# Altium PCB PCB3.PcbDoc (part 1 of 2)
Units mil, origin at the board's own origin, x right, y up, seen from the top; angles counter-clockwise.
Board outline 6260 x 6725 mil, 2 copper layers (Top Layer, Bottom Layer); 255 components, 118 nets, 1007 pads, 109 vias.
Unrouted connection lines stored in the file: 4.
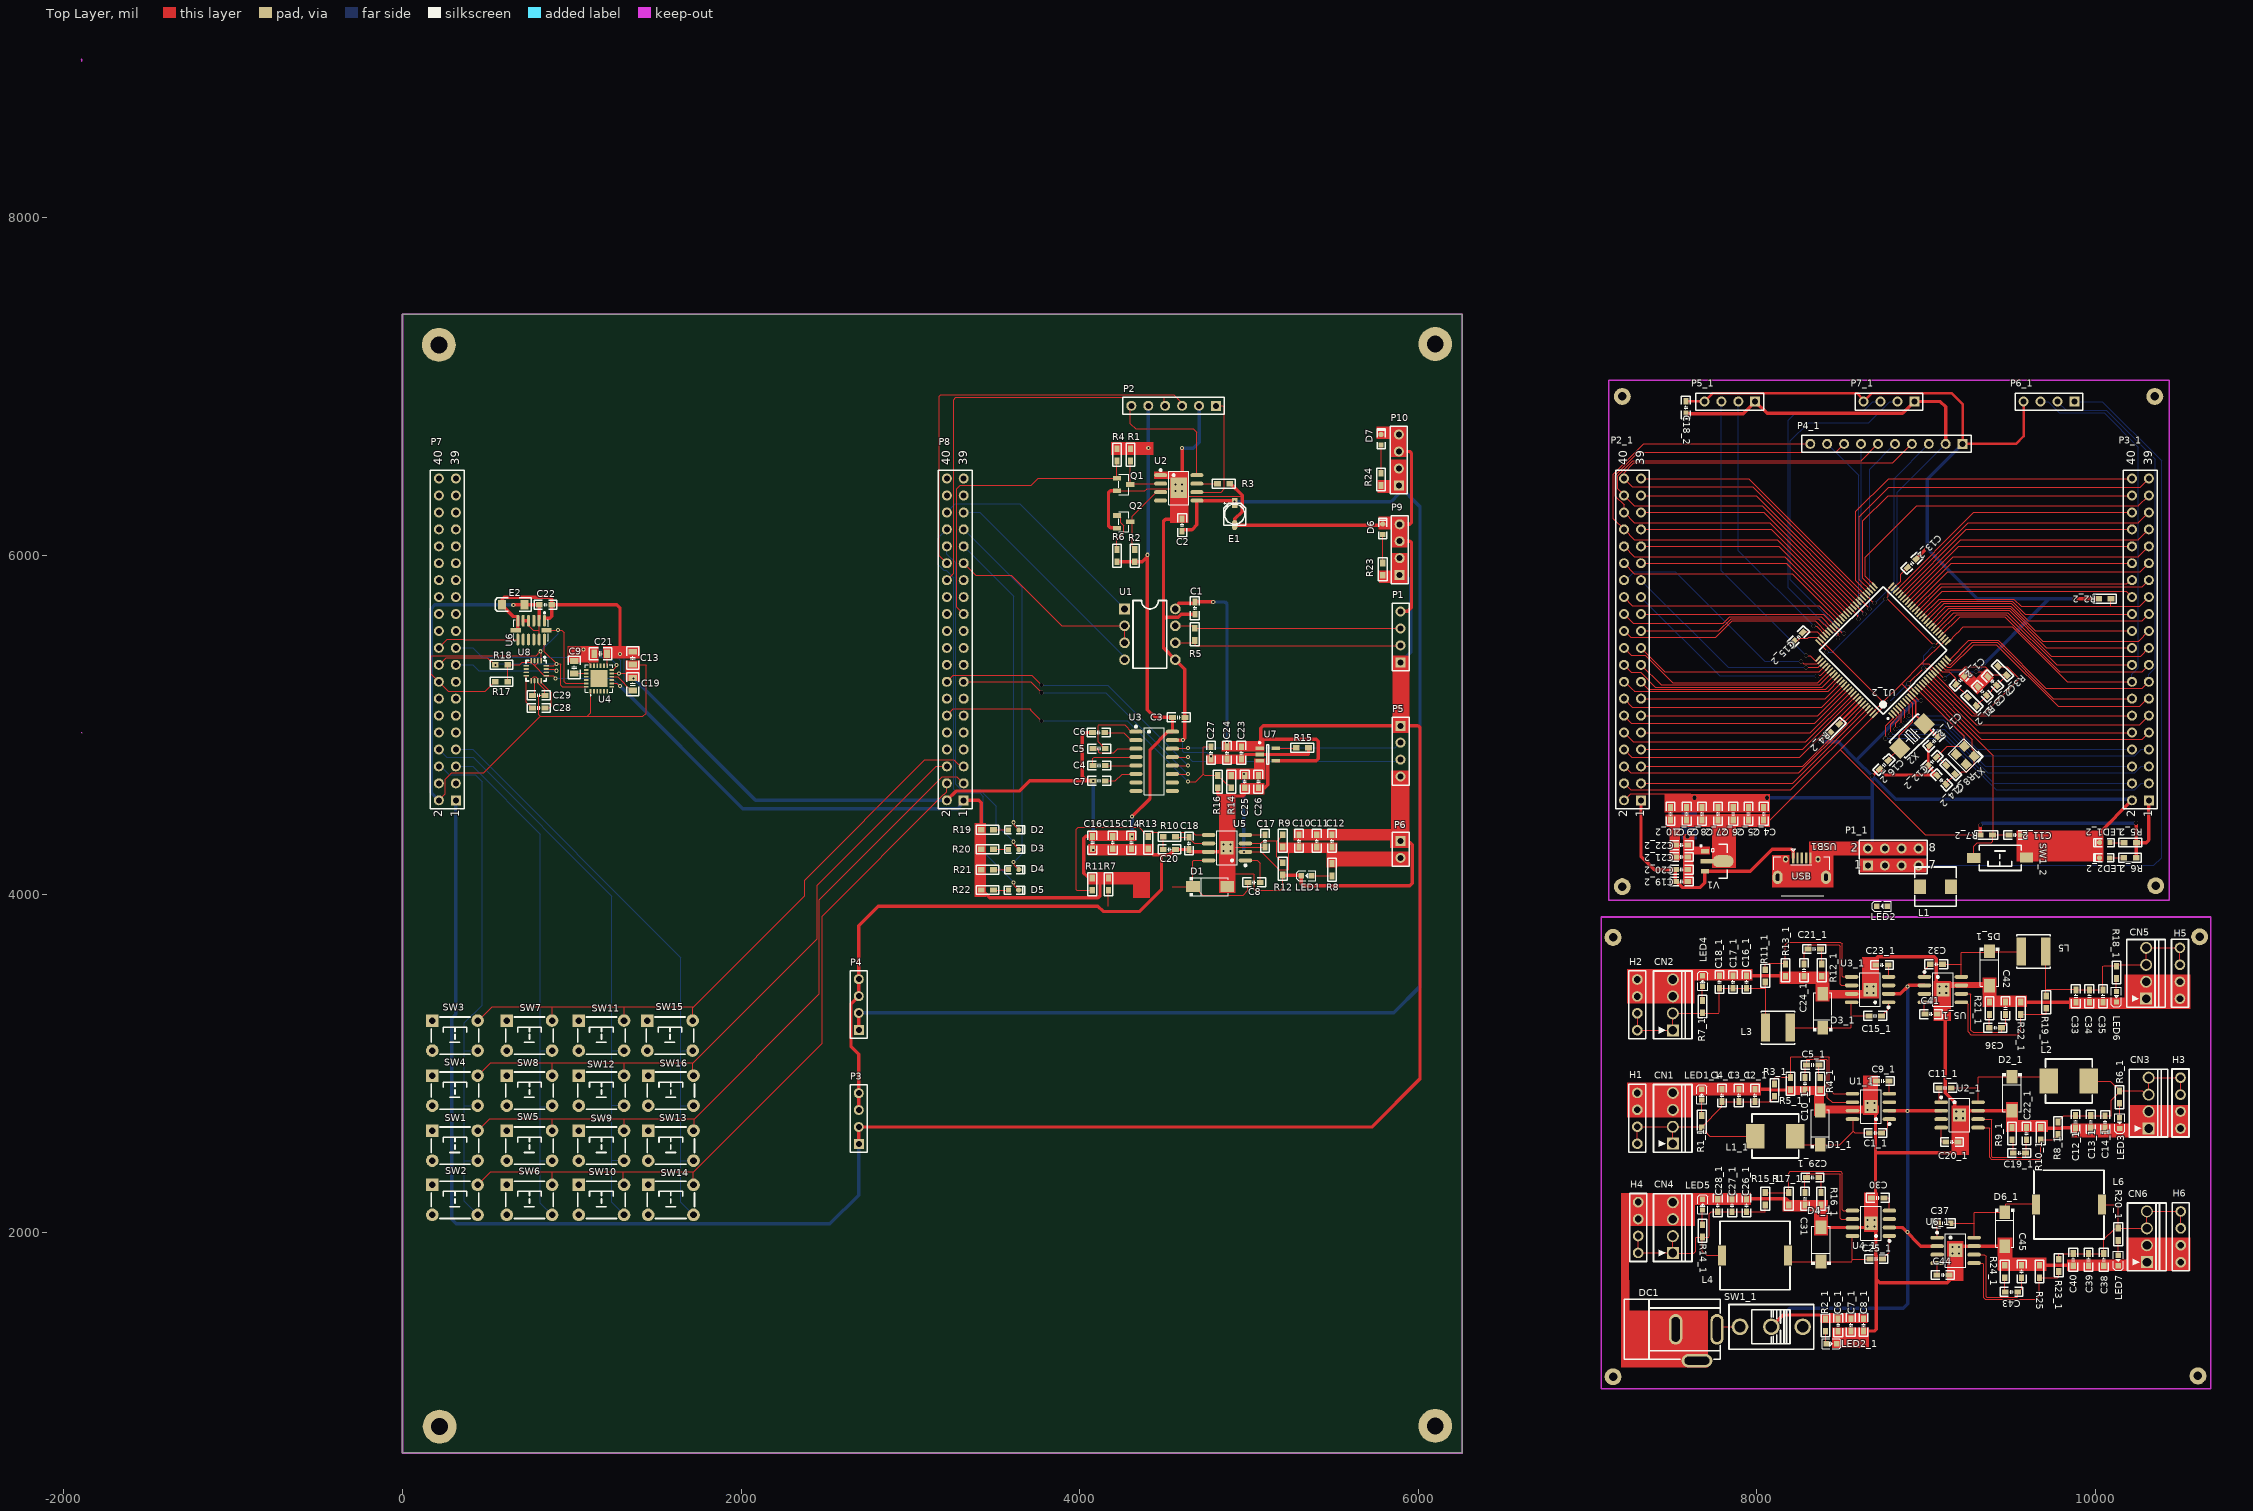
[diagram p0: Top Layer view]
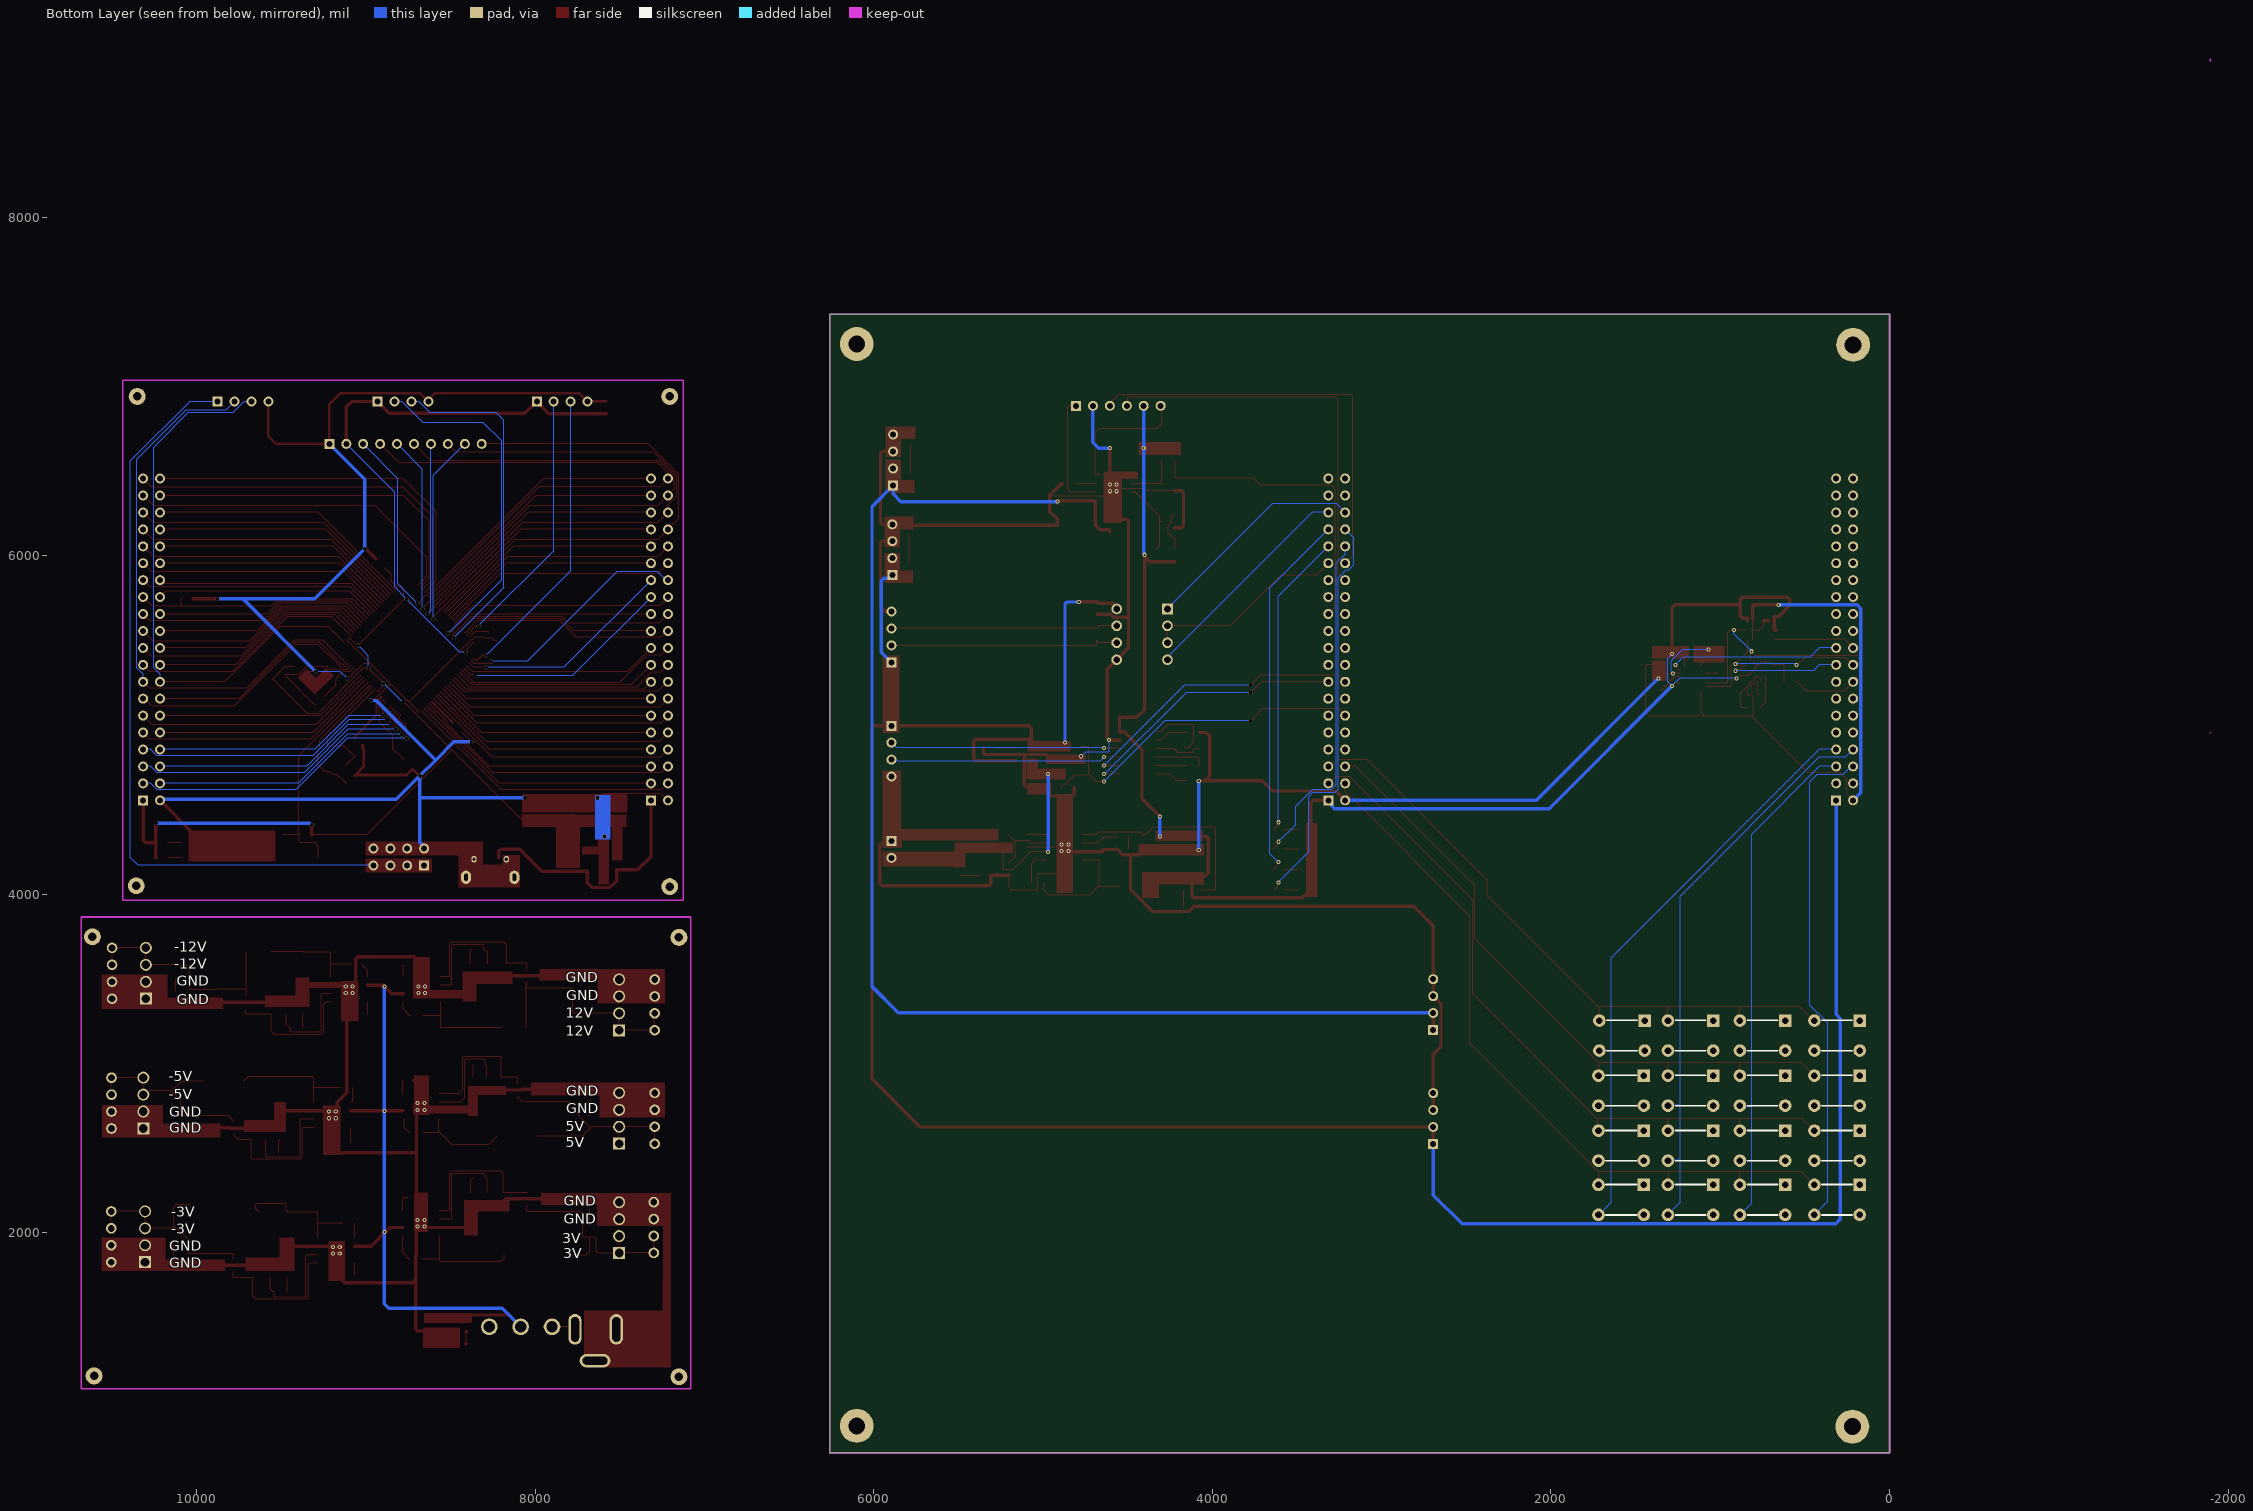
[diagram p1: Bottom Layer view, seen from below]

## Layer stack, top to bottom
Top Solder: solder mask 0.4, Solder Resist, Dk 3.5
Top Layer: signal copper 1.4
Dielectric 1: dielectric 12.6, FR-4, Dk 4.8
Bottom Layer: signal copper 1.4
Bottom Solder: solder mask 0.4, Solder Resist, Dk 3.5

## Board outline
0,700 0,4956.38 0,7425 6260,7425 6260,700

## Design rules (kind name [scope] priority, off if disabled: settings)
Clearance [All] p1: gap=6 ignorepadtopadclearanceinfootprint=FALSE except(0: Arc-Hole Track-Hole SMDPad-Hole THPad-Hole Via-Hole Fill-Hole Poly-Hole Region-Hole Text-Hole)
ComponentClearance [All] p1: gap=0 collisioncheckmode=3 verticalgap=0 showdistances=FALSE
MinimumSolderMaskSliver [All] p1: minsoldermaskwidth=0
PolygonConnect [All] p1: connectstyle=Direct reliefconductorwidth=10 reliefentries=4 polygonreliefangle="90 Angle" airgapwidth=10
RoutingVias [All] p1: holewidth=12 width=24 viastyle="Through Hole" minholewidth=10 minwidth=20 maxholewidth=25 maxwidth=50
SilkToSilkClearance [All] p1: silktosilkclearance=0
SilkToSolderMaskClearance [IsPad] p1: minsilkscreentomaskgap=0 clearancetoexposedcopper=TRUE
SolderMaskExpansion [All] p1: expansion=4 istentingtop=FALSE
Width GND [InNet('GND')] p1: maxlimit=50 minlimit=6 preferedwidth=20
Width 12V [InNet('12V')] p2: maxlimit=50 minlimit=6 preferedwidth=20
Width 5V [InNet('5V')] p3: maxlimit=50 minlimit=6 preferedwidth=20
Width 4V2 [InNet('4V2')] p4: maxlimit=50 minlimit=6 preferedwidth=20
Width 3V3 [InNet('3V3')] p5: maxlimit=50 minlimit=6 preferedwidth=20
Width Signal [All] p6: maxlimit=20 minlimit=6 preferedwidth=6
26 further rules are at their usual default settings.

## Classes and differential pairs
component class Sheet3: C1 C2 C3 C4 C5 C6 C7 C8 C9 C10 C11 C12 C13 C14 C15 C16 C17 C18 C19 C20 C21 C22 C23 C24 C25 C26 C27 C28 C29 D1 D2 D3 D4 D5 D6 D7 E2 L1 LED1 LED2 P1 P2 P3 P4 P5 P6 P7 P8 P9 P10 Q1 Q2 R1 R2 R3 R4 R5 R6 R7 R8 R9 R10 R11 R12 R13 R14 R15 R16 R17 R18 R19 R20 R21 R22 R23 R24 SW1 SW2 SW3 SW4 SW5 SW6 SW7 SW8 SW9 SW10 SW11 SW12 SW13 SW14 SW15 SW16 U1 U2 U3 U4 U5 U6 U7 U8

## Components (designator, comment, footprint, x,y, rotation, side; value= is the part's Value field where it differs from the comment)
C1 "104" C0603_M 4680,5690 r270 top
C1_1 "100nF" C0603_M 8700,2590 r180 top (schematic designator C1)
C1_2 "104" C0603_M 9200.81,5264.19 r45 top (schematic designator C1)
C2 "220nF/50V" C0603_M 4605,6180 r270 top
C2_1 "47uF" C0603_M 7988.51,2811.5 r270 top (schematic designator C2)
C2_2 "104" C0603_M 9390.81,5259.19 r315 top (schematic designator C2)
C3 "104" C0603_M 4585,5045 r0 top
C3_1 "47uF" C0603_M 7893.51,2811.5 r270 top (schematic designator C3)
C3_2 "106" C0603_M 9330.81,5199.19 r315 top (schematic designator C3)
C4 "104" C0603_M 4115,4760 r180 top
C4_1 "10uF" C0603_M 7793.51,2811.5 r270 top (schematic designator C4)
C4_2 "104" C0603_M 8040,4475 r270 top (schematic designator C4)
C5 "104" C0603_M 4115,4860 r0 top
C5_1 "75pF" C0603_M 8330.01,2991.5 r180 top (schematic designator C5)
C5_2 "104" C0603_M 7950,4475 r270 top (schematic designator C5)
C6 "104" C0603_M 4111.5,4955 r180 top
C6_1 "10uF" C0603_M 8480,1455 r90 top (schematic designator C6)
C6_2 "104" C0603_M 7860,4475 r270 top (schematic designator C6)
C7 "104" C0603_M 4115,4670 r0 top
C7_1 "10uF" C0603_M 8555,1456.5 r90 top (schematic designator C7)
C7_2 "104" C0603_M 7770,4475 r270 top (schematic designator C7)
C8 "104" C0603_M 5030,4070 r180 top
C8_1 "10nF" C0603_M 8630,1456.5 r90 top (schematic designator C8)
C8_2 "104" C0603_M 7675,4475 r270 top (schematic designator C8)
C9 "2.2nF" C0805_L 1015,5340 r90 top
C9_1 "8.2nF" C0603_M 8743.51,2896.5 r0 top (schematic designator C9)
C9_2 "104" C0603_M 7585,4475 r270 top (schematic designator C9)
C10 "106" C0603_M 5295,4315 r270 top
C10_1 "0.275pF" C0603_M 8285.01,2881.5 r90 top (schematic designator C10)
C10_2 "104" C0603_M 7490,4475 r270 top (schematic designator C10)
C11 "106" C0603_M 5400,4315 r270 top
C11_1 "100nF" C0603_M 9111.89,2856.5 r0 top (schematic designator C11)
C11_2 "104" C0603_M 9525,4350 r0 top (schematic designator C11)
C12 "106" C0603_M 5490,4315 r270 top
C12_1 "47uF" C0603_M 9881.89,2656.5 r90 top (schematic designator C12)
C12_2 "22pF" C0603_M 9035,4785 r45 top (schematic designator C12)
C13 "103" C0805_L 1360,5395 r90 top
C13_1 "47uF" C0603_M 9971.89,2656.5 r90 top (schematic designator C13)
C13_2 "2.2uF" C0603_M 8915,5955 r45 top (schematic designator C13)
C14 "22uF" C0603_M 4305,4305 r90 top
C14_1 "10uF" C0603_M 10056.89,2655 r90 top (schematic designator C14)
C14_2 "22pF" C0603_M 9090,4675 r315 top (schematic designator C14)
C15 "22uF" C0603_M 4195,4305 r90 top
C15_1 "100nF" C0603_M 8698.51,3281.5 r180 top (schematic designator C15)
C15_2 "2.2uF" C0603_M 8245,5520 r225 top (schematic designator C15)
C16 "106" C0603_M 4075,4305 r90 top
C16_1 "47uF" C0603_M 7938.51,3481.5 r270 top (schematic designator C16)
C16_2 "12pF" C0603_M 8750,4765 r45 top (schematic designator C16)
C17 "8.2nF" C0603_M 5095,4315 r90 top
C17_1 "47uF" C0603_M 7858.51,3481.5 r270 top (schematic designator C17)
C17_2 "12pF" C0603_M 9045,4905 r45 top (schematic designator C17)
C18 "10pF" C0603_M 4645,4300 r270 top
C18_1 "10uF" C0603_M 7778.51,3481.5 r270 top (schematic designator C18)
C18_2 "104" C0603_M 7580,6875 r270 top (schematic designator C18)
C19 "104" C0805_L 1360,5240 r270 top
C19_1 "75pF" C0603_M 9550.39,2471.5 r0 top (schematic designator C19)
C19_2 "106" C0603_M 7555,4075 r180 top (schematic designator C19)
C20 "1nF" C0603_M 4530,4265 r180 top
C20_1 "8.2nF" C0603_M 9151.89,2536.5 r180 top (schematic designator C20)
C20_2 "104" C0603_M 7555,4145 r180 top (schematic designator C20)
C21 "104" C0805_L 1170,5420 r0 top
C21_1 "75pF" C0603_M 8338.51,3676.5 r180 top (schematic designator C21)
C21_2 "106" C0603_M 7555,4220 r180 top (schematic designator C21)
C22 "104" C0603_M 845,5710 r180 top
C22_1 "0.275pF" C0603_M 9591.89,2586.5 r270 top (schematic designator C22)
C22_2 "104" C0603_M 7555,4290 r180 top (schematic designator C22)
C23 "104" C0603_M 4955,4835 r90 top
C23_1 "8.2nF" C0603_M 8738.51,3581.5 r0 top (schematic designator C23)
C24 "104" C0603_M 4870,4835 r90 top
C24_1 "0.275pF" C0603_M 8278.51,3551.5 r90 top (schematic designator C24)
C25 "104" C0603_M 4975,4665 r90 top
C25_1 "100nF" C0603_M 8705,1845 r180 top (schematic designator C25)
C26 "104" C0603_M 5055,4665 r90 top
C26_1 "47uF" C0603_M 7938.51,2161.5 r270 top (schematic designator C26)
C27 "104" C0603_M 4775,4835 r90 top
C27_1 "47uF" C0603_M 7853.51,2161.5 r270 top (schematic designator C27)
C28 "0.22uF" C0603_M 805,5100 r180 top
C28_1 "10uF" C0603_M 7768.51,2161.5 r270 top (schematic designator C28)
C29 "4.7uF" C0603_M 805,5175 r180 top
C29_1 "75pF" C0603_M 8328.51,2326.5 r180 top (schematic designator C29)
C30 "8.2nF" C0603_M 8713.51,2206.5 r0 top
C31 "0.275pF" C0603_M 8283.51,2201.5 r90 top
C32 "100nF" C0603_M 9060.01,3586.5 r0 top
C33 "47uF" C0603_M 9883.51,3398 r90 top
C34 "47uF" C0603_M 9963.51,3398 r90 top
C35 "10uF" C0603_M 10043.51,3398 r90 top
C36 "75pF" C0603_M 9408.51,3211.5 r0 top
C37 "100nF" C0603_M 9103.51,2056.5 r0 top
C38 "47uF" C0603_M 10048.51,1841.5 r90 top
C39 "47uF" C0603_M 9958.51,1841.5 r90 top
C40 "10uF" C0603_M 9868.51,1841.5 r90 top
C41 "8.2nF" C0603_M 9028.51,3291.5 r180 top
C42 "0.275pF" C0603_M 9468.51,3326.5 r270 top
C43 "75pF" C0603_M 9503.51,1651.5 r0 top
C44 "8.2nF" C0603_M 9098.51,1751.5 r180 top
C45 "0.275pF" C0603_M 9563.51,1771.5 r270 top
CN1 "22272041" CONN-TH_22272041 7503.51,2676.5 r270 top
CN2 "22272041" CONN-TH_22272041 7503.51,3346.5 r270 top
CN3 "22272041" CONN-TH_22272041 10313.51,2766.5 r270 top
CN4 "22272041" CONN-TH_22272041 7503.51,2030.71 r270 top
CN5 "22272041" CONN-TH_22272041 10298.51,3533 r270 top
CN6 "22272041" CONN-TH_22272041 10303.51,1976.5 r270 top
D1 "SS54_C123946" SMA_L4.4-W2.8-LS5.4-RD 4770,4045 r0 top
D1_1 "SS54_C123946" SMA_L4.4-W2.8-LS5.4-RD 8373.51,2621.5 r90 top (schematic designator D1)
D2 "LED" LED0603_R 3610,4380 r0 top
D2_1 "SS54_C123946" SMA_L4.4-W2.8-LS5.4-RD 9506.89,2821.5 r270 top (schematic designator D2)
D3 "LED" LED0603_R 3610,4265 r0 top
D3_1 "SS54_C123946" SMA_L4.4-W2.8-LS5.4-RD 8388.51,3311.5 r90 top (schematic designator D3)
D4 "LED" LED0603_R 3610,4145 r0 top
D4_1 "SS54_C123946" SMA_L4.4-W2.8-LS5.4-RD 8378.51,1931.5 r90 top (schematic designator D4)
D5 "LED" LED0603_R 3609.41,4025 r0 top
D5_1 "SS54_C123946" SMA_L4.4-W2.8-LS5.4-RD 9373.51,3561.5 r270 top (schematic designator D5)
D6 "LED" LED0603_R 5790,6155 r90 top
D6_1 "SS54_C123946" SMA_L4.4-W2.8-LS5.4-RD 9463.51,2021.5 r270 top (schematic designator D6)
D7 "LED" LED0603_R 5780,6685 r90 top
DC1 "DC005_C431533" DC-IN-TH_DC005 7642.04,1337.47 r0 top
E1 "100uF/50V" "CE A(3*5.4)" 4915,6245 r90 top
E2 "1uF" C_3216 655,5710 r0 top
H1 "GP26-2520WV-4P" HDR-TH_4P-P2.54-V-F-R1-C4 7293.51,2676.5 r90 top
H2 "GP26-2520WV-4P" HDR-TH_4P-P2.54-V-F-R1-C4 7293.51,3346.5 r90 top
H3 "GP26-2520WV-4P" HDR-TH_4P-P2.54-V-F-R1-C4 10501.89,2766.5 r90 top
H4 "GP26-2520WV-4P" HDR-TH_4P-P2.54-V-F-R1-C4 7298.51,2031.5 r90 top
H5 "GP26-2520WV-4P" HDR-TH_4P-P2.54-V-F-R1-C4 10498.51,3533 r90 top
H6 "GP26-2520WV-4P" HDR-TH_4P-P2.54-V-F-R1-C4 10503.51,1976.5 r90 top
L1 "2.7uH" IND-SMD_L6.2-W5.9 9055,4045 r180 top
L1_1 "8.2uH" IND-SMD_L7.0-W6.6 8108.51,2571.5 r180 top (schematic designator L1)
L2 "8.2uH" IND-SMD_L7.0-W6.6 9841.89,2896.5 r0 top
L3 "15uH" IND-SMD_L5.0-W5.0_SWPA5040S 8123.51,3211.5 r180 top
L4 "6.8uH" IND-SMD_L10.5-W10.3 7988.51,1866.5 r180 top
L5 "15uH" IND-SMD_L5.0-W5.0_SWPA5040S 9633.51,3661.5 r0 top
L6 "6.8uH" IND-SMD_L10.5-W10.3 9843.51,2166.5 r0 top
LED1 "FC-1608UGK-520D" LED0603-RD 5340,4110 r0 top
LED1_1 "FC-1608UGK-520D" LED0603-RD 7673.51,2816.5 r270 top (schematic designator LED1)
LED1_2 "LED" LED0603_R 10055,4305 r180 top (schematic designator LED1)
LED2 "FC-1608UGK-520D" LED0603-RD 8738.52,3929.86 r0 top
LED2_1 "FC-1608UGK-520D" LED0603-RD 8440,1345 r180 top (schematic designator LED2)
LED2_2 "LED" LED0603_R 10053.5,4215 r180 top (schematic designator LED2)
LED3 "FC-1608UGK-520D" LED0603-RD 10141.89,2648 r90 top
LED4 "FC-1608UGK-520D" LED0603-RD 7678.51,3486.5 r270 top
LED5 "FC-1608UGK-520D" LED0603-RD 7678.51,2166.5 r270 top
LED6 "FC-1608UGK-520D" LED0603-RD 10123.51,3394.5 r90 top
LED7 "FC-1608UGK-520D" LED0603-RD 10133.51,1836.5 r90 top
P1 "Header 4" HDR1X4 5895,5370 r90 top
P1_1 "JP7" HDR2X4 8655,4170 r0 top (schematic designator P1)
P2 "Header 6" HDR1X6 4805,6885 r180 top
P2_1 "JP4" HDR2X20 7315,4555 r90 top (schematic designator P2)
P3 "Header 4" HDR1X4 2695,2525 r90 top
P3_1 "JP5" HDR2X20 10315,4555 r90 top (schematic designator P3)
P4 "Header 4" HDR1X4 2695,3198 r90 top
P4_1 "JP2" HDR1X10 9215,6660 r180 top (schematic designator P4)
P5 "Header 4" HDR1X4 5895,4995 r270 top
P5_1 "JP1" HDR1X4 7990,6910 r180 top (schematic designator P5)
P6 "Header 2" HDR1X2 5895,4315 r270 top
P6_1 "JP3" HDR1X4 9875,6910 r180 top (schematic designator P6)
P7 "Header 20X2" HDR2X20 315,4555 r90 top
P7_1 "JP6" HDR1X4 8930,6910 r180 top (schematic designator P7)
P8 "Header 20X2" HDR2X20 3315,4555 r90 top
P9 "Header 4" HDR1X4 5890,5885 r90 top
P10 "Header 4" HDR1X4 5885,6415 r90 top
Q1 "2N7002" SOT-23-3_L2.9-W1.3-P1.90-LS2.4-BR 4260,6420 r180 top
Q2 "2N7002" SOT-23-3_L2.9-W1.3-P1.90-LS2.4-BR 4260,6200 r180 top
R1 "1K" R0603_M 4300,6595 r90 top
R1_1 "10K" R0603_M 7673.51,2656.5 r270 top (schematic designator R1)
R1_2 "0R" R0603_M 9270.81,5139.19 r315 top (schematic designator R1)
R2 "1K" R0603_M 4325,6000 r270 top
R2_1 "10K" R0603_M 8405,1455 r90 top (schematic designator R2)
R2_2 "10K" R0603_M 10055,5745 r180 top (schematic designator R2)
R3 "0.25R/1W" R0603_M 4850,6425 r0 top
R3_1 "30.1K" R0603_M 8103.51,2843 r270 top (schematic designator R3)
R3_2 "0R" R0603_M 9450,5320 r315 top (schematic designator R3)
R4 "1K" R0603_M 4220,6595 r90 top
R4_1 "37.4K" R0603_M 8373.51,2881.5 r90 top (schematic designator R4)
R4_2 "10K" R0603_M 8460,4980 r45 top (schematic designator R4)
R5 "120R" R0603_M 4680,5535 r90 top
R5_1 "2K" R0603_M 8198.51,2881.5 r90 top (schematic designator R5)
R5_2 "510R" R0603_M 10205,4305 r0 top (schematic designator R5)
R6 "1K" R0603_M 4220,6000 r270 top
R6_1 "10K" R0603_M 10141.89,2801.5 r90 top (schematic designator R6)
R6_2 "510R" R0603_M 10203.5,4215 r0 top (schematic designator R6)
R7 "1K" R0603_M 4170,4060 r90 top
R7_1 "10K" R0603_M 7678.51,3336.5 r270 top (schematic designator R7)
R7_2 "10K" R0603_M 9355,4350 r0 top (schematic designator R7)
R8 "1K" R0603_M 5490,4145 r90 top
R8_1 "30.1K" R0603_M 9778.51,2618 r90 top (schematic designator R8)
R8_2 "1K" R0603_M 9145,4735 r135 top (schematic designator R8)
R9 "499K" R0603_M 5200,4315 r270 top
R9_1 "37.4K" R0603_M 9506.89,2586.5 r270 top (schematic designator R9)
R10 "71.5K" R0603_M 4530,4340 r0 top
R10_1 "2K" R0603_M 9676.89,2586.5 r270 top (schematic designator R10)
R11 "7.5K" R0603_M 4075,4060 r90 top
R11_1 "30.1K" R0603_M 8048.51,3518 r270 top (schematic designator R11)
R12 "86.6K" R0603_M 5200,4150 r90 top
R12_1 "37.4K" R0603_M 8383.51,3551.5 r90 top (schematic designator R12)
R13 "2.4K" R0603_M 4405,4305 r90 top
R13_1 "2K" R0603_M 8168.51,3551.5 r90 top (schematic designator R13)
R14 "100K" R0603_M 4895,4665 r90 top
R14_1 "10K" R0603_M 7678.51,2011.5 r270 top (schematic designator R14)
R15 "1.65K" R0603_M 5315,4865 r180 top
R15_1 "30.1K" R0603_M 8048.51,2201.5 r270 top (schematic designator R15)
R16 "100K" R0603_M 4815,4665 r90 top
R16_1 "37.4K" R0603_M 8378.51,2201.5 r90 top (schematic designator R16)
R17 "4.7K" R0603_M 585,5255 r0 top
R17_1 "2K" R0603_M 8188.51,2201.5 r90 top (schematic designator R17)
R18 "4.7K" R0603_M 585,5355 r0 top
R18_1 "10K" R0603_M 10123.51,3538 r90 top (schematic designator R18)
R19 "1K" R0603_M 3455,4380 r180 top
R19_1 "30.1K" R0603_M 9708.51,3363 r90 top (schematic designator R19)
R20 "1K" R0603_M 3455,4265 r180 top
R20_1 "10K" R0603_M 10133.51,1991.5 r90 top (schematic designator R20)
R21 "1K" R0603_M 3455,4145 r180 top
R21_1 "37.4K" R0603_M 9373.51,3326.5 r270 top (schematic designator R21)
R22 "1K" R0603_M 3455,4025 r180 top
R22_1 "2K" R0603_M 9558.51,3326.5 r270 top (schematic designator R22)
R23 "10K" R0603_M 5790,5920 r270 top
R23_1 "30.1K" R0603_M 9783.51,1808 r90 top (schematic designator R23)
R24 "10K" R0603_M 5780,6450 r270 top
R24_1 "37.4K" R0603_M 9463.51,1771.5 r270 top (schematic designator R24)
R25 "2K" R0603_M 9668.51,1771.5 r270 top
SW1 "6x6x5" "SW DIP-6*6*6" 310,2515 r0 top
SW1_1 "SS-12D10L4" SW-TH_SS-12D10L3 8085,1445 r180 top (schematic designator SW1)